# KiCad board PDNode-PDCard-4242.kicad_pcb (continued)
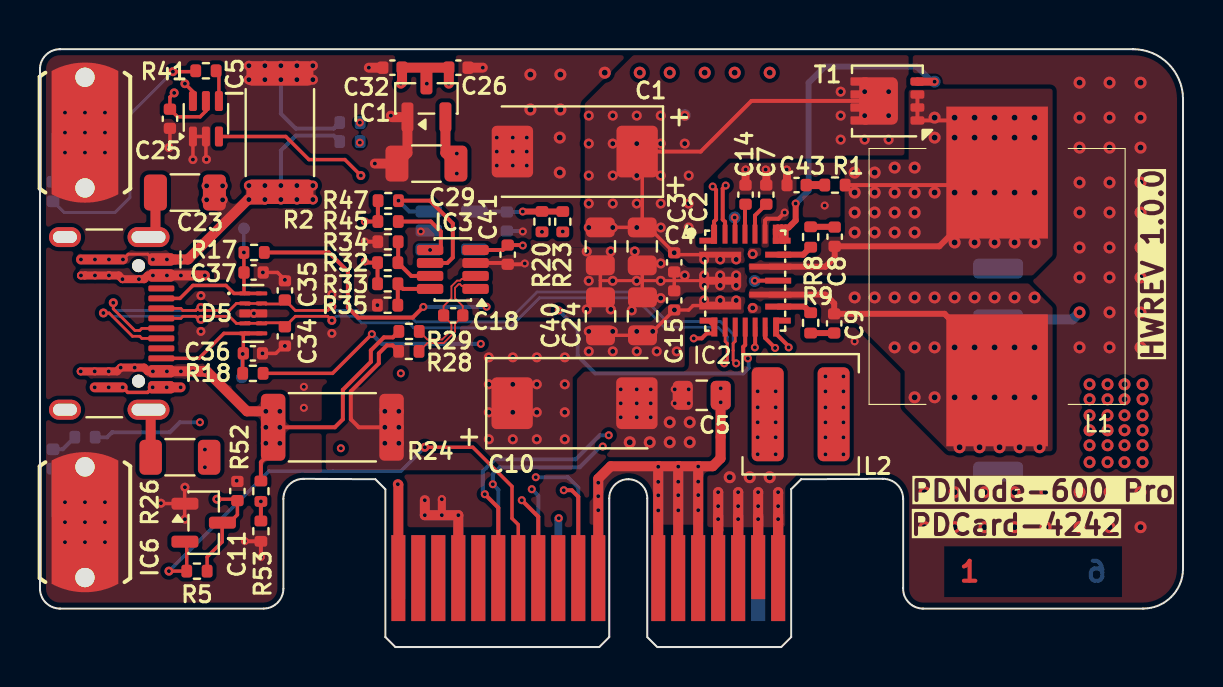
[diagram p0: board, top side]
## Routing (per net, layer and track width the routed paths; a pad name or vN(x,y) marks a point on that pad's centre or on a via; arc(x,y) is an arc through that point)
+3.3V: length 40.4
  L1 (Sig, PWR) w0.174: v4(8.85,7.4) 9.87,7.4 9.87,6.62 9.45,6.2 9.42,6.23 9.11,6.23 9.11,5.26 8.36,4.51 R5.1 ; IC5.5 8.3,26.83 8.01,26.54 6.88,26.54 C25.1 6.5,27.53 v4(6.71,27.74)
  L1 (Sig, PWR) w0.2: R47.1 16.9,22.33 R45.1 v3(16.25,21.3) ; v3(24.15,20.1) 24.13,20.12 C41.1 23.15,19.88 IC3.4 ; v3(20.85,23.7) 20.81,23.75 C29.1 20.81,24.66 v3(20.85,24.7) ; R33.1 16.88,18.18 R32.1 16.31,19.24
  L1 (Sig, PWR) w0.3: R23.1 v3(24.15,21.8)
  L1 (Sig, PWR) w0.5: C29.1 20.28,24.73 20.28,26.53
  L4(PWR) w0.174: v4(8.85,7.4) 10.14,7.4 11.94,9.2 13.25,9.2 13.85,9.8 13.85,18.8 14.35,19.3 v3(16.25,19.3)
  L6 (SIG) w0.2: v3(24.15,21.8) 24.13,21.78 C31.1 23.33,21.8 21.75,21.8
+5V: length 91.1
  L1 (Sig, PWR) w0.2: IC2.8 35.77,15.01 v3(35.76,15)
  L1 (Sig, PWR) w0.5: J2.B1 17.93,8.12 v3(17.9,8.15) ; v3(18.05,28.2) 18.11,28.26 C32.1 C26.1 v3(20.45,28.2)
  L4(PWR) w0.4: 26.85,9.25 26.85,7.4 25.95,6.5 v3(25.95,6.45)
  L4(PWR) w0.5: 35,15.95 34.4,15.95 32.25,13.8 28.45,13.8 27.35,12.7 27.35,9.7 26.9,9.25 26.25,9.25 ; 35,15.95 35.2,15.75 35.5,15.75 36.25,16.5 51.75,16.5 v2(52,16.75) ; 35,15.95 35.76,15.19 v3(35.76,15) ; v3(18.05,28.2) v3(20.45,28.2) ; 26.25,9.25 26.85,9.25 ; 26.25,9.25 21.55,9.25 20.45,8.15 v3(17.9,8.15) 15.7,10.35 15.7,12.75 17.75,14.8 17.75,21.25 17.1,21.9 17.1,23.45 19.35,25.7 v3(19.35,28.2)
  L6 (SIG) w0.4: v3(25.95,6.45) 25.93,6.42 J2.A9 ; v3(17.9,8.15) 17.93,8.12 J2.A1
  L6 (SIG) w0.5: J3.4 51.65,16.4 v2(52,16.75)
+24V: length 53.1
  L1 (Sig, PWR) w0.5: 30.95,9.05 v3(30.93,9.03) J2.A12 ; 30.95,9.05 31.95,9.05 ; 30.95,9.05 28.55,9.05 27.93,8.42 J2.A11 ; 32.95,9.05 32.93,9.03 J2.A14 ; 32.95,9.05 32.94,9.05 ; 32.95,9.05 33.65,9.05 34.04,9.44 34.04,12.59 C5.1 ; v3(31.93,9.03) 31.94,9.05 31.95,9.05 ; 32.94,9.05 v3(32.92,9.04) ; 32.94,9.05 31.95,9.05 ; 31.95,9.05 31.93,9.03 J2.A13
  L6 (SIG) w0.5: J2.A12 v3(30.93,9.03) ; J2.A14 v3(32.93,9.04) ; J2.A13 v3(31.93,9.03) ; v3(27.93,8.23) J2.A11
  vias: v3(27.93,7.55) v3(27.93,6.85) v3(30.92,8.27) v3(30.93,7.59) v3(30.93,6.84) v3(31.93,8.28) v3(31.93,7.6) v3(31.93,6.84) v3(32.92,8.28) v3(32.93,7.61) v3(32.93,6.85) v3(34.05,12.95) v3(34.05,12.25) v3(35.9,12.8) v3(35.9,12) v3(35.9,11.25) v3(35.9,10.5) v3(35.9,9.65) v3(36.8,12.8) v3(36.8,12) v3(36.8,11.25) v3(36.8,10.5) v3(36.8,9.65)
+24V_FILTERED: length 23.6
  L1 (Sig, PWR) w0.174: C3.1 30.04,21.01 30.05,21.01 C2.1 ; C2.1 30.12,24.55 C1.1 ; C2.1 30.44,21.01 31.72,19.73 31.73,19.73 31.82,19.64 IC2.1
  L1 (Sig, PWR) w0.2: C1.1 33.05,24.8 35.58,27.33 T1.5
  vias: v1(27.45,26.6) v1(27.45,25.2) v1(27.45,23.6) v1(27.45,22.2) v1(27.45,21) v1(28.65,26.6) v1(28.65,25.2) v1(28.65,23.6) v1(28.65,22.2) v1(28.65,21) v1(29.85,26.6) v1(29.85,25.2) v1(29.85,23.6) v1(29.85,22.2) v1(29.85,21) v1(31.05,26.6) v1(31.05,25.2) v1(31.05,23.6) v1(31.05,22.2) v1(31.05,21) v1(31.72,19.74) v1(32.25,26.6) v1(32.25,25.2) v1(32.45,23.6) v1(32.45,22.2) v1(32.45,21) v1(33.23,19.4) v1(34.03,19.4) v1(34.82,19.4) v1(40.05,27.8) v1(40.05,26.6) v1(40.05,25.4) v1(41.25,27.8) v1(41.25,26.6) v1(41.25,25.4) v1(42.45,27.8) v1(42.45,26.6) v1(42.45,25.4) v2(52.5,13.15) v2(52.5,12.4) v2(52.5,11.6) v2(52.5,10.85) v2(52.5,10.1) v2(52.5,9.25) v2(53.4,13.15) v2(53.4,12.4) v2(53.4,11.6) v2(53.4,10.85) v2(53.4,10.1) v2(53.4,9.25) v2(54.25,13.15) v2(54.25,12.4) v2(54.25,11.6) v2(54.25,10.85) v2(54.25,10.1) v2(54.25,9.25) v2(55.15,13.15) v2(55.15,12.4) v2(55.15,11.6) v2(55.15,10.85) v2(55.15,10.1) v2(55.15,9.25) v3(39.29,13.55) v3(39.29,12.8) v3(39.29,12) v3(39.29,11.25) v3(39.29,10.5) v3(39.29,9.65) v3(40.19,13.55) v3(40.19,12.8) v3(40.19,12) v3(40.19,11.25) v3(40.19,10.5) v3(40.19,9.65)
/Project Architecture/Board Connector and Supplies/VBUS_VMON_PORT0: length 23.8
  L1 (Sig, PWR) w0.2: J2.B10 26.93,7.53 26.6,7.85 v3(26.2,7.85) ; R53.1 v3(11.05,7.29)
  L3 (Sig) w0.2: v3(11.05,7.29) 11.05,8.35 11.7,9 19.5,9 21.8,6.7 25.05,6.7 v3(26.2,7.85)
/Project Architecture/USB-PD Source Controller/VBUS: length 30.7
  L1 (Sig, PWR) w0.2: R24.2 11.66,9.86 11.05,9.25 R52.1 ; 5.99,13.8 7.54,13.8 ; 17.95,15.8 17.65,15.5 17.2,15.5 16.55,14.85 16.55,14.28 15.15,12.88 15.15,11.4 14.75,11 12,11 v1(12,11)
  L1 (Sig, PWR) w0.4: v3(2.05,18.6) 2.25,18.6 2.25,18.6 3.45,18.6 v3(3.45,18.6) 3.45,18.6 3.94,18.6 v3(4.13,18.41) 5.21,18.41 5.4,18.6 6,18.6 ; v3(2.04,13.8) v3(3.44,13.8) 3.85,13.8 v3(4.04,13.99) v3(4.74,13.99) 5.21,13.99 5.4,13.8 v3(5.65,13.8)
  L1 (Sig, PWR) w0.5: 8,13.8 8.29,13.8 6.04,13.8 ; 8,13.8 8.25,13.8 v3(8.25,13.8) 8.35,13.8 10.35,11.8 v1(11.3,11.8) ; 8,13.8 7.69,13.8 ; 6,18.6 v3(8.25,18.6)
  vias: v1(11.3,11) v1(11.3,10.2) v1(12,11.8) v1(12,10.2) v3(2.75,18.6) v3(2.74,13.8) v3(4.95,18.41) v3(5.65,18.6) v3(6.35,18.6) v3(6.35,13.8) v3(7.05,18.6) v3(7.05,13.8) v3(7.65,18.6) v3(7.65,13.8)
/Project Architecture/USB-PD Source Controller/VBUS_MEA_N: length 5.9
  L1 (Sig, PWR) w0.09: IC3.2 21.38,18.58 21.22,18.42 21.09,18.42 21.01,18.34 20.86,18.34 20.58,18.06 20.58,17.46 20.19,17.07 C18.2 20.19,16.57 20.58,16.18 20.58,15.86 20.12,15.4 19.37,15.4 R29.2
/Project Architecture/USB-PD Source Controller/VBUS_MEA_P: length 5.9
  L1 (Sig, PWR) w0.09: 18.96,14.8 19.37,15.21 20.19,15.21 20.76,15.78 20.76,16.18 21.15,16.57 C18.1 21.15,17.07 20.76,17.46 20.76,17.98 20.94,18.16 21.01,18.16 21.09,18.08 21.22,18.08 21.38,17.92 IC3.1
GND: length 113.5
  L1 (Sig, PWR) w0.149: v1(34.03,18.6) IC2.2 28.04,18.34 28.03,18.35
  L1 (Sig, PWR) w0.174: v4(7.25,8) 7.24,7.99 7.24,7.18 ; C24.2 30.12,17.52 C2.2 ; v4(7.65,24.4) IC5.1 IC5.2 8.3,24.44 v4(8.33,24.41) ; D5.3 v4(10.7,16.7) D5.3 ; v4(7.25,6.4) 7.24,6.41 7.24,7.18 ; C40.2 28.03,17.51 C3.2 ; 7.24,7.18 6.07,7.18 v4(6.05,7.2) ; v4(12.25,15.07) 12.17,15.07 11.8,14.7 v4(11.13,14.7) ; C4.2 C15.2 ; v4(6.45,25) 6.5,25.05 C25.2 ; v4(11.15,18.75) C37.2 11.88,18.75 v4(12.25,18.38) C35.2 ; v4(9.84,8.33) 9.72,8.33 9.69,8.36
  L1 (Sig, PWR) w0.2: v3(24.25,19.2) 24.21,19.16 C41.2 23.33,19.23 IC3.3 ; v3(16.88,17.11) 16.79,17.2 16.75,17.2 ; v3(16.25,20.3) 16.26,20.29 R34.2 ; v3(11.05,4.5) R53.2 10.26,5.29 v3(10.25,5.3) ; IC2.17 36.27,21.35 36.36,21.44 36.94,21.44 v3(37.25,21.75)
  L1 (Sig, PWR) w0.4: v3(35.3,23.9) 35.29,23.89 C14.2 ; C7.2 36.33,23.87 v3(36.3,23.9) ; v3(37.35,23.9) 37.37,23.89 C43.2 ; v3(20.1,6.6) v3(20.1,7.4)
  L1 (Sig, PWR) w0.5: v3(23.65,24.8) 23.66,24.81 23.66,24.81 ; v3(33.92,7.75) 33.93,7.75 33.93,5.85 ; v3(16.75,24.2) C29.2 18.38,24.73 IC1.1 17.62,26.53 v3(17.55,26.6) ; v3(34.92,7.75) 34.93,7.75 J2.A16 34.93,6.58 ; C32.2 v3(16.45,29) ; J2.A15 33.93,5.85 ; 33.93,5.85 33.93,6.58 ; J2.A4 v3(20.93,6.6) v3(19.25,6.6) v3(19.25,7.35) ; v3(29.85,12.2) 29.86,12.2 C10.2 ; v3(35.92,7.75) 35.93,7.75 J2.B17 35.93,6.58 ; v3(36.92,7.75) 36.93,7.75 J2.A18 36.93,6.58 ; C26.2 v3(22.15,29)
  L2 (GND) w0.174: v4(8.05,15.8) 9.8,15.8 v4(10.7,16.7) 9.81,17.59 v4(8.05,17.59)
  L6 (SIG) w0.174: v4(1.25,25.75) 0.75,25.75 0.65,25.65 D2.1 ; 2.22,25.78 v4(2.25,25.75)
  L6 (SIG) w0.2: v1(12.05,28.4) 12.05,26.7 12.8,25.95 14.69,25.95 R3.1 ; v3(2.25,6.25) 1,6.25 0.65,6.6 D1.1 ; C31.2 24.13,20.82 v3(24.15,20.8) ; 19.48,20.85 19.1,20.85 v3(19.05,20.8)
  L6 (SIG) w0.4: v3(20.1,7.4) v3(20.1,6.6)
  L6 (SIG) w0.5: v3(34.92,7.75) 34.93,7.75 34.93,5.9 ; 35.93,6.1 35.93,7.75 v3(35.92,7.75) ; 35.93,6.1 J2.A17 ; 35.93,6.1 35.93,6.58 ; 34.93,5.9 34.93,6.58 ; 34.93,5.9 J2.A16 ; J2.A15 33.93,6.1 ; 33.93,6.1 33.93,7.75 v3(33.92,7.75) ; 33.93,6.1 33.93,6.58 ; v3(36.92,7.75) 36.93,7.75 36.93,6.15 ; 36.93,6.15 J2.A18 ; 36.93,6.15 36.93,6.58 ; J2.A4 v3(20.93,6.6) v3(19.25,6.6) v3(19.25,7.35)
  vias: v1(10.45,29.1) v1(10.45,28.4) v1(11.25,29.1) v1(11.25,28.4) v1(12.05,29.1) v1(12.85,29.1) v1(12.85,28.4) v1(13.65,29.1) v1(13.65,28.4) v1(27.35,19.8) v1(27.35,16.9) v1(27.45,18.33) v1(28.55,19.8) v1(28.55,16.9) v1(28.65,18.33) v1(29.6,16.85) v1(29.75,19.8) v1(29.85,18.33) v1(31.05,19.2) v1(31.05,18.33) v1(31.05,17.46) v1(32.25,18.6) v1(33.23,18.6) v1(33.23,18.1) v1(34.03,18.1) v1(34.82,18.6) v1(34.82,18.1) v1(35.65,19.67) v1(35.65,16.98) v2(24.53,28.65) v2(24.53,26.9) v2(26.03,28.65) v2(26.03,26.9) v2(26,25.5) v2(26,23.75) v2(28.25,28.75) v2(29.5,10.25) v2(30,28.75) v2(30.5,10.25) v2(31.5,28.75) v2(31.5,11.25) v2(31.5,10.25) v2(32.5,11.25) v2(32.5,10.25) v2(33.25,28.75) v2(34.5,8.5) v2(34.75,28.75) v2(35.5,8.5) v2(36.5,28.75) v2(36.5,8.5) v2(44.25,7.75) v2(44.25,6) v2(45.75,7.75) v2(45.75,6) v2(47.25,7.75) v2(47.25,6) v2(48.75,7.75) v2(48.75,6) v2(50.3,7.75) v2(50.3,6) v2(52,28.25) v2(52,26.5) v2(52,25) v2(52,23.25) v2(52,21.75) v2(52,20) v2(52,18.5) v2(52,15) v2(52,7.75) v2(52,6) v2(53.5,28.25) v2(53.5,26.5) v2(53.5,25) v2(53.5,23.25) v2(53.5,21.75) v2(53.5,20) v2(53.5,18.5) v2(53.5,16.75) v2(53.5,15) v2(53.5,7.75) v2(53.5,6) v2(55.05,28.25) v2(55.05,26.5) v2(55.05,25) v2(55.05,23.25) v2(55.05,21.75) v2(55.05,20) v2(55.05,18.5) v2(55.05,16.75) v2(55.05,15) v2(55.05,7.75) v2(55.05,6) v3(1.25,7.25) v3(1.25,6.25) v3(1.25,5.25) v3(2.25,7.25) v3(2.25,5.25) v3(3.25,7.25) v3(3.25,6.25) v3(3.25,5.25) v3(13.2,13.03) v3(13.2,11.98) v3(15.05,9.95) v3(18.05,13.7) v3(22.85,25.5) v3(22.85,24.8) v3(22.85,24.1) v3(23.65,25.5) v3(23.65,24.1) v3(24.35,25.5) v3(24.35,24.8) v3(24.35,24.1) v3(29.05,12.9) v3(29.05,12.2) v3(29.05,11.5) v3(29.85,12.9) v3(29.85,11.5) v3(30.55,12.9) v3(30.55,12.2) v3(30.55,11.5) v3(31.75,12.9) v3(31.75,12.2) v3(32.45,12.9) v3(32.45,12.2) v3(33.92,7.05) v3(33.92,6.4) v3(34.92,7.05) v3(34.92,6.4) v3(35.92,7.05) v3(35.92,6.4) v3(36.92,7.05) v3(36.92,6.4) v3(39.25,22.1) v3(40.75,15.3) v4(1.25,26.75) v4(1.25,24.75) v4(2.25,26.75) v4(2.25,24.75) v4(3.25,26.75) v4(3.25,25.75) v4(3.25,24.75) v4(14.6,17.65) v4(14.6,15.7)
GND_USB: length 20.3
  L1 (Sig, PWR) w0.15: v3(4.15,19.4) 4.41,19.66 5.39,19.66 v3(5.65,19.4)
  L1 (Sig, PWR) w0.174: 5.99,13 v3(5.64,13) 5.38,12.75 4.39,12.75 v3(4.14,13)
  L1 (Sig, PWR) w0.5: v3(2.05,19.4) v3(4.15,19.4) ; v3(5.64,13) v3(7.04,13) ; 6,19.4 v3(7.05,19.4) 7.4,19.4 10.4,22.4 v1(11.25,22.4) ; v3(2.74,13) v3(4.14,13)
  L6 (SIG) w0.2: v1(12.05,23.1) 12.05,24.85 12.8,25.6 14.69,25.6 R4.1
  vias: v1(8.34,23.09) v1(8.34,22.39) v1(9.14,23.09) v1(9.14,22.39) v1(10.45,23.1) v1(10.45,22.4) v1(11.25,23.1) v1(12.05,22.4) v1(12.85,23.1) v1(12.85,22.4) v1(13.65,23.1) v1(13.65,22.4) v3(2.75,19.4) v3(3.45,19.4) v3(3.44,13) v3(6.35,19.4) v3(6.34,13) v3(8.25,9.89) v3(8.25,9)
/Project Architecture/Board Connector and Supplies/PORT_EN: length 47
  L1 (Sig, PWR) w0.174: v4(7.25,28.2) 7.65,27.8 IC5.6
  L1 (Sig, PWR) w0.2: J2.B8 24.93,6.53 v3(24.1,7.35)
  L3 (Sig) w0.174: 9.2,11.25 9.45,11.5 9.45,21.94 9.67,22.16 9.67,22.61 9.55,22.74 9.67,22.86 9.67,23.31 9.45,23.53 9.45,25 7.25,27.2 v4(7.25,28.2) ; 9.2,11.25 11,9.45 19.65,9.45 ; 9.2,11.25 v3(8,11.25)
  L3 (Sig) w0.2: v3(24.1,7.35) 23.9,7.15 21.95,7.15 19.65,9.45
  L6 (SIG) w0.2: v3(8,11.25) 7,11.25 6.5,10.75 3.61,10.75 3.36,10.5 R49.2
/Project Architecture/USB-PD Source Controller/CC1: length 8.7
  L1 (Sig, PWR) w0.174: D5.1 9.7,17.7 9.3,18.1 7.65,18.1 7,17.45 J1.A5 ; D5.1 10.2,17.75 C37.1 10.2,18.76 v4(10.2,19.75) ; D5.1 D5.1
  L6 (SIG) w0.174: CC1.1 v4(10.2,19.75)
/Project Architecture/USB-PD Source Controller/CC2: length 8.8
  L1 (Sig, PWR) w0.174: R18.2 v4(10.14,14.67) C36.1 10.17,15.62 D5.5 9.2,15.7 7.95,14.45 J1.B5
  L1 (Sig, PWR) w0.2: D5.5 D5.5
  L6 (SIG) w0.174: v4(10.14,14.67) 10.1,14.63 CC2.1
/Project Architecture/USB-PD Source Controller/I2C_SCL: length 44.7
  L1 (Sig, PWR) w0.2: IC2.10 36.82,15.68 37.45,15.05 v3(37.45,15) ; R45.2 19.55,21.3 20.05,20.8 20.05,20 19.95,19.9 19.54,19.9 v3(19.51,19.88)
  L3 (Sig) w0.2: v3(28.15,10.04) 27.95,10.24 27.95,11.1 28,11.15 28,13.55 28.65,14.2 32.35,14.2 34.3,16.15 37,16.15 37.45,15.7 v3(37.45,15) ; v3(19.51,19.88) 19.51,18.74 20.3,17.95 20.3,10.2 22.35,8.15 v3(22.65,8.15)
  L6 (SIG) w0.2: v3(28.15,10.04) 28.04,10.04 27,9 23,9 22.65,8.65 v3(22.65,8.15) 22.93,7.88 J2.A6 ; 19.48,19.9 19.49,19.9 v3(19.51,19.88)
/Project Architecture/USB-PD Source Controller/I2C_SDA: length 50.8
  L1 (Sig, PWR) w0.2: IC3.6 20.38,19.23 20.65,19.5 20.65,21.2 19.51,22.34 v3(17.93,22.34) ; IC2.9 36.27,15.47 v3(36.77,14.97) ; v3(22.25,7.65) 22.93,6.98 J2.B6
  L3 (Sig) w0.2: v3(28.45,10.6) 28.45,13.45 28.8,13.8 32.5,13.8 34.45,15.75 35.99,15.75 v3(36.77,14.97) ; v3(22.25,7.65) 19.85,10.05 19.85,17.8 17.93,19.72 v3(17.93,22.34)
  L6 (SIG) w0.2: v3(28.45,10.6) 28,10.6 26.8,9.4 22.75,9.4 22.15,8.8 22.15,7.75 v3(22.25,7.65) ; v3(17.93,22.34) 18.47,21.8 19.48,21.8
/Project Architecture/USB-PD Source Controller/ISEN+: length 25.3
  L1 (Sig, PWR) w0.2: IC2.22 33.72,21.3 33.82,21.4 33.82,22.88 v3(33.65,23.05)
  L3 (Sig) w0.15: v3(16,25.25) 16.35,25.6 19.81,25.6 21.81,27.6 32.69,27.6 33.83,26.45 33.83,23.23 v3(33.65,23.05)
  L6 (SIG) w0.15: v3(16,25.25) 16.01,25.26 R4.2
/Project Architecture/USB-PD Source Controller/ISEN-: length 25.8
  L1 (Sig, PWR) w0.2: v3(34.3,23.1) 34.15,22.95 34.15,21.4 34.27,21.28 IC2.21
  L3 (Sig) w0.15: v3(34.3,23.1) 34.14,23.26 34.14,26.58 32.81,27.9 21.69,27.9 19.69,25.9 16.35,25.9 v3(16,26.25)
  L6 (SIG) w0.15: R3.2 v3(16,26.25)
/Project Architecture/USB-PD Source Controller/PD_ATTACH: length 35.1
  L1 (Sig, PWR) w0.2: v3(34.75,21.5) 34.77,21.48 IC2.20 ; R23.2 v3(26.15,20.8)
  L3 (Sig) w0.2: v3(34.75,21.5) 33.6,20.35 26.6,20.35 v3(26.15,20.8) 26.15,18.95 24.95,17.75 22.35,17.75 21.4,16.8 21.4,10.4 22.6,9.2 24.1,9.2 v3(24.8,8.5)
  L6 (SIG) w0.2: J2.A10 26.93,7.98 26.4,8.5 v3(24.8,8.5)
/Project Architecture/USB-PD Source Controller/PD_CC1: length 31.4
  L1 (Sig, PWR) w0.2: v3(19.18,17.03) 18.64,16.49 15.91,16.49 15.4,17 15.4,18.8 14.45,19.75 R17.1 ; v3(35.41,14.45) 35.18,14.68 35.18,15.03 35.28,15.12 IC2.7
  L3 (Sig) w0.2: v3(25.95,16.85) 25.9,16.9 22.48,16.9 v3(22.34,17.03)
  L6 (SIG) w0.2: v3(22.34,17.03) 22.34,16.99 22.31,17.03 v3(19.18,17.03) ; v3(35.41,14.45) 35.45,14.41 35.45,13.98 35.17,13.7 27.77,13.7 26.9,14.57 26.9,15.9 v3(25.95,16.85)
/Project Architecture/USB-PD Source Controller/PD_CC2: length 25.8
  L1 (Sig, PWR) w0.174: v3(16.6,15.66) 14.64,13.7 R18.1
  L1 (Sig, PWR) w0.2: 33.73,16.05 33.73,15.7 33.35,15.7 33.1,15.45 v3(32.7,15.45) ; 33.73,16.05 IC2.4 ; 33.73,16.05 IC2.4 ; v3(16.6,15.66) 16.51,15.66
  L3 (Sig) w0.15: v3(32.7,15.45) 31.82,16.33 22.61,16.33 22.05,15.76 v3(22.05,15.17)
  L6 (SIG) w0.2: v3(22.05,15.17) 17.09,15.17 v3(16.6,15.66)
/Project Architecture/USB-PD Source Controller/PD_ENABLE: length 58.2
  L1 (Sig, PWR) w0.174: v4(16.05,23.6) 15.25,24.4 13.45,24.4 12.3,25.56 IC5.3
  L1 (Sig, PWR) w0.2: v3(35.75,18.33) 35.76,18.34 IC2.13
  L3 (Sig) w0.174: v4(16.05,23.6) 16.65,23 24.45,23 24.85,22.6 24.85,21.04 v3(25.11,20.78)
  L3 (Sig) w0.2: v3(24.6,7.9) 23.75,8.75 22.4,8.75 20.95,10.2 20.95,16.95 22.2,18.2 24.35,18.2 25.11,18.96 v3(25.11,20.78) 25.88,21.55 33.85,21.55 34.4,22.1 35.45,22.1 36.35,21.2 36.35,18.93 v3(35.75,18.33)
  L6 (SIG) w0.2: J2.A8 24.93,7.58 v3(24.6,7.9)
/Project Architecture/USB-PD Source Controller/PD_OUT: length 14.3
  L1 (Sig, PWR) w0.174: C40.1 C24.1 30.46,15.61 C15.1 32.44,16.87 32.67,17.09 IC2.3
  L1 (Sig, PWR) w0.2: R28.1 17.64,15.1 17.35,15.1 16.95,14.7 16.95,14.2 15.55,12.8 15.55,11.4 15.95,11 R24.1 v1(17.25,11)
  vias: v1(17.25,11.8) v1(17.25,10.2) v1(17.95,11.8) v1(17.95,11) v1(17.95,10.2) v1(22.45,14.5) v1(22.45,13.15) v1(22.45,11.75) v1(22.45,10.4) v1(23.65,14.5) v1(23.65,13.15) v1(23.65,11.75) v1(23.65,10.4) v1(24.85,14.5) v1(24.85,13.15) v1(24.85,11.75) v1(24.85,10.4) v1(26.25,14.5) v1(26.25,13.15) v1(26.25,11.75) v1(26.25,10.4) v1(27.45,15.8) v1(27.45,14.8) v1(28.65,15.8) v1(28.65,14.8) v1(29.85,15.8) v1(29.85,14.8) v1(30.65,15.8) v1(30.85,14.8) v1(31.73,16.87) v1(31.85,14.8) v1(33.23,17.35) v1(34.03,17.35) v1(34.82,17.35)
/Project Architecture/USB-PD Source Controller/SW1: length 32.8
  L1 (Sig, PWR) w0.2: 49.85,26.5 49.85,25.73 L1.1 ; L1.1 47.87,25.33 46.93,26.28 46.9,26.28 46.82,26.36 T1.1 T1.3 ; L1.1 47.25,23.12 R1.1
  L1 (Sig, PWR) w0.3: L1.1 47.87,22.95 44.99,20.06 C8.1 39.75,19.5 39.29,19.04 IC2.14
  vias: v2(40.75,23.75) v2(40.75,22.75) v2(40.75,21.75) v2(40.75,20.75) v2(41.75,23.75) v2(41.75,22.75) v2(41.75,21.75) v2(41.75,20.75) v2(42.75,24) v2(42.75,22.75) v2(42.75,21.75) v2(42.75,20.75) v2(43.75,24) v2(43.75,22.75) v2(43.75,21.75) v2(43.75,20.75) v2(44.75,26.5) v2(44.75,25.5) v2(44.75,22.75) v2(45.75,26.5) v2(45.75,25.5) v2(45.75,22.75) v2(45.75,20.25) v2(46.75,26.5) v2(46.75,25.5) v2(46.75,22.75) v2(46.75,20.25) v2(47.75,26.5) v2(47.75,25.5) v2(47.75,22.75) v2(47.75,20.25) v2(48.75,26.5) v2(48.75,25.5) v2(48.75,22.75) v2(48.75,20.25) v2(49.75,26.5) v2(49.75,25.5) v2(49.75,22.75) v2(49.75,20.25)
/Project Architecture/USB-PD Source Controller/SW2: length 13.8
  L1 (Sig, PWR) w0.3: IC2.12 39.29,17.64 39.73,17.2 C9.1 45.25,16.68 47.87,14.05 L1.2
  vias: v2(40.75,17.5) v2(41.75,17.5) v2(42.75,17.5) v2(42.75,15) v2(43.75,17.5) v2(43.75,15) v2(43.75,12.5) v2(44.75,17.5) v2(44.75,15) v2(44.75,12.5) v2(45.75,17.5) v2(45.75,15) v2(45.75,12.5) v2(46,10) v2(46.75,17.5) v2(46.75,15) v2(46.75,12.5) v2(47,10) v2(47.75,17.5) v2(47.75,15) v2(47.75,12.5) v2(48,10) v2(48.75,17.5) v2(48.75,15) v2(48.75,12.5) v2(49,10) v2(49.75,17.5) v2(49.75,15) v2(49.75,12.5) v2(50,10)
/Project Architecture/USB-PD Source Controller/USB_D+: length 42.6
  L1 (Sig, PWR) w0.09: 8.05,16.43 8,16.43
  L1 (Sig, PWR) w0.14: v4(14.6,16.35) 14.4,16.55 12.77,16.55 C34.1 12.22,16.03 12.02,16.23 11.3,16.23 11.27,16.2 D5.4 11.06,16.23 10.93,16.23 10.91,16.2 10.49,16.2 10.47,16.23 10.28,16.23 D5.4 9.83,16.2 9.47,16.55 8.3,16.55 8.25,16.5 8.15,16.5 v4(8.05,16.4) 7.94,16.5 7.84,16.5 7.79,16.55 7.15,16.55 7.05,16.45 J1.A6 ; v3(34.22,14.2) 34.38,14.35 34.38,14.74 34.38,14.74 34.38,15.2 34.27,15.3 IC2.5 ; v4(3.17,16.72) 3.46,16.72 4.63,15.55 4.99,15.55 5.09,15.45 J1.B6
  L6 (SIG) w0.14: v4(3.17,16.72) 3.46,16.72 3.63,16.55 7.79,16.55 7.84,16.5 7.94,16.5 v4(8.05,16.4) ; v3(34.22,14.2) 34.38,14.35 34.38,15.54 33.91,16 31.24,16 29.76,17.48 24.99,17.48 23.49,15.98 18.69,15.98 18.44,16.23 16.09,16.23 15.76,16.55 14.8,16.55 v4(14.6,16.35)
/Project Architecture/USB-PD Source Controller/USB_D-: length 42.6
  L1 (Sig, PWR) w0.14: v4(3.67,17.23) 3.67,16.93 4.75,15.85 4.99,15.85 5.09,15.95 J1.A7 ; v4(14.6,17.05) 14.4,16.85 12.77,16.85 C35.1 12.22,17.37 12.02,17.17 11.3,17.17 11.27,17.2 D5.2 11.06,17.17 10.93,17.17 10.91,17.2 10.49,17.2 10.47,17.17 10.28,17.17 D5.2 9.83,17.2 9.47,16.85 8.3,16.85 8.25,16.9 8.15,16.9 v4(8.05,17) 7.94,16.9 7.84,16.9 7.79,16.85 7.15,16.85 7.05,16.95 J1.B7 ; IC2.6 34.78,15.3 34.67,15.2 34.67,14.85 34.67,14.85 34.67,14.35 v3(34.82,14.2)
  L6 (SIG) w0.14: v4(14.6,17.05) 14.8,16.85 15.89,16.85 16.21,16.52 18.56,16.52 18.81,16.27 23.37,16.27 24.86,17.77 29.89,17.77 31.36,16.3 34.04,16.3 34.67,15.66 34.67,14.35 v3(34.82,14.2) ; v4(8.05,17) 7.94,16.9 7.84,16.9 7.79,16.85 3.75,16.85 3.67,16.93 v4(3.67,17.23)
/Project Architecture/USB-PD Source Controller/VDRV: length 17.9
  L1 (Sig, PWR) w0.3: 37.3,21 37.45,21 37.8,21.35 v3(37.8,22.2) ; 37.3,21 37.3,20.4 37.24,20.34 IC2.16 37.1,21 37.1,21 ; 37.3,21 37.1,21 ; IC2.16 36.81,20.91 36.9,21 37.1,21
  L1 (Sig, PWR) w0.4: T1.4 43.9,28.3 v3(44.75,28.3)
  L6 (SIG) w0.3: v3(37.8,22.2) 38.45,22.85 38.45,28.25 39.25,29.05 43.87,29.05 44.62,28.3 v3(44.75,28.3)
PGOOD_3V3: length 27.7
  L1 (Sig, PWR) w0.174: 7.24,5.28 7.34,5.18 R5.2 v4(6.45,3.8) ; J2.B7 23.93,6.12 23.61,6.44 23.61,8.04 21.65,10 v4(19.25,10)
  L6 (SIG) w0.174: v4(6.45,3.8) 11.46,8.81 14.64,8.81 14.65,8.8 18.05,8.8 v4(19.25,10)
SHIELD: length 13.2
  L1 (Sig, PWR) w0.5: R26.2 5.54,11.77 J1.S1 ; J1.S1 5.78,20.87 C23.2
  L3 (Sig) w0.5: J1.S1 J1.S1 ; J1.S1 J1.S1
Net-(C8-Pad2): length 1.2
  L1 (Sig, PWR) w0.3: 38.55,21.03 39.74,21.03 C8.2
Net-(C9-Pad2): length 1.2
  L1 (Sig, PWR) w0.3: R9.2 39.72,15.72 C9.2
Net-(C43-Pad1): length 0.9
  L1 (Sig, PWR) w0.4: C43.1 R1.2
Net-(D1-Pad2): length 1.3
  L6 (SIG) w0.2: R49.1 1.14,9.9 D1.2
Net-(D2-Pad2): length 12.7
  L1 (Sig, PWR) w0.174: v4(6.65,28.8) 7.75,28.8 R41.2
  L6 (SIG) w0.149: D2.2 1.22,21.75 3.75,21.75 4.5,22.5 4.5,26.65 v4(6.65,28.8)
Net-(IC2-BST1): length 1.8
  L1 (Sig, PWR) w0.3: R8.1 38.18,19.64 IC2.15
Net-(IC2-BST2): length 1.8
  L1 (Sig, PWR) w0.3: IC2.11 38.25,17.04 38.55,16.73
Net-(IC2-ICOMP): length 1.5
  L1 (Sig, PWR) w0.2: C14.1 35.26,22.14 IC2.19
Net-(IC2-VCC): length 1.7
  L1 (Sig, PWR) w0.2: C7.1 35.76,21.6 IC2.18
Net-(IC3-A0): length 2.9
  L1 (Sig, PWR) w0.2: R34.1 17.92,19.25 R32.2 18.57,18.58 IC3.7
Net-(IC3-A1): length 2.8
  L1 (Sig, PWR) w0.2: R35.1 17.9,18.18 R33.2 18.16,17.92 IC3.8
Net-(IC5-Y): length 1.6
  L1 (Sig, PWR) w0.174: R41.1 8.95,28.7 IC5.4

## Copper pours and planes (outline as drawn; the poured copper is in the pictures)
+3.3V on L4(PWR): 21.95,1.6 22,16.5 27,16.5 27,30.25 -0.15,30.25 -0.25,1.5
+24V on L1 (Sig, PWR): 27.49,6.12 27.49,9.52 30.44,9.52 33.19,12.62 33.19,13.52 34.79,14.72 37.99,14.72 37.99,6.12
+24V on L4(PWR): 27.5,6.1 27.5,13.5 33.2,13.5 34.8,14.7 38,14.7 38,6.1
+24V_FILTERED on L1 (Sig, PWR): 43.45,30.2 30.05,30 27.25,27.2 27.25,20.2 30.95,20.2 31.7,19.45 32.2,19.45 32.45,19.2 35.25,19.2 35.25,20.2 33.45,20.2 33.2,20.45 33.2,23.2 34.45,24.45 43.45,24.45
+24V_FILTERED on L1 (Sig, PWR): 38,14.75 42.25,14.75 43.25,13.75 43.25,12 45.45,9.8 50.65,9.8 50.65,1.8 38,1.75
+24V_FILTERED on L6 (SIG): 55.75,13.75 51.75,13.75 51,14.5 43.25,14.5 42.75,14 39,14 39,9.25 43,9.25 44.25,8 51,8 51.75,8.75 55.75,8.75
+24V_FILTERED on L4(PWR): 38,14.75 38,1.75 57.75,1.75 57.75,30.25 27,30.25 27,20.25 30.75,20.25 31.5,19.5 32.25,19.5 32.5,19.25 35.25,19.25 35.25,14.75
/Project Architecture/USB-PD Source Controller/VBUS on L1 (Sig, PWR), L3 (Sig), L4(PWR): 12.5,9 -0.75,9 -0.75,21.5 1,21.5 1,19 12.5,19
GND on L1 (Sig, PWR), L6 (SIG), L2 (GND), L3 (Sig), L5(GND): -3.75,31.92 58.25,32 58.25,0 38.25,0 38.25,6 16.25,6 16.25,1 -3.75,1
GND on L1 (Sig, PWR), L2 (GND), L5(GND): 35.25,19 35.28,17.75 32.25,17.75 31.75,17.25 31.25,17.25 30.5,16.5 22,16.5 22,20 30.75,20 31.5,19.25 32,19.25 32.25,19
GND_USB on L1 (Sig, PWR), L4(PWR): 1,19 1,24.25 14.25,24.25 14.25,19
GND_USB on L6 (SIG), L2 (GND), L5(GND): 14.75,24 14.75,19.5 9.25,19.5 9.25,18 7.75,18 7.75,15.5 9.25,15.5 9.25,8.5 -0.75,8.5 -0.75,24
/Project Architecture/USB-PD Source Controller/PD_OUT on L1 (Sig, PWR), L4(PWR): 35.28,17.75 35.28,16.5 32.25,16.5 32.25,14 27.15,14 26.65,13.5 26.65,8.85 14.3,8.85 14.3,13 16.05,13 19.48,16.38 27.98,16.38 28.3,16.75 28.8,17.25 29.3,17.25 29.8,17.75
/Project Architecture/USB-PD Source Controller/SW1 on L1 (Sig, PWR), L3 (Sig), L4(PWR): 35.25,19.4 38.25,19.4 39.45,20.6 40.25,20.6 40.25,24.4 43.45,24.4 43.45,27.95 50.65,27.95 50.65,19.6 49.65,18.6 35.25,18.6
/Project Architecture/USB-PD Source Controller/SW2 on L1 (Sig, PWR), L3 (Sig), L4(PWR): 35.25,18.2 49.45,18.2 50.65,17 50.65,9.8 45.45,9.8 43.25,12 43.25,13.8 40.85,16.2 39.05,16.2 39.05,17 35.25,17

## Text on the board
L6 (SIG): Bottom Layer
B.Silkscreen: GND | +5V | +24V | CC2 | CC1 | +24VF | PDEN | VDRV | CEN | OEN | VMON | DvidMakesThings | PDNode-600-Pro | PDCard-4242 | Bottom Silk
L1 (Sig, PWR): Top Layer
F.Silkscreen: + | PDCard-4242 | PDNode-600 Pro | HWREV 1.0.0 | Top Silk
L2 (GND): 2nd Layer
L3 (Sig): 3rd Layer
L4(PWR): 4th Layer
L5(GND): 5th Layer
DrillMap: Top Preview | Bottom Preview
F.AssemblyText: 30° | BOARD PARAMETERS / ---------------------------------------- / Layers: 6 / Board Size: 57.17 mm x 29.92 mm / PCB Thickness: 1.6 mm / Base Material: FR-4 / Material Type: FR4 TG135 / Stackup Code: JLC06161H-3313 / Impedance Control: No requirement / Appearance Standard: IPC Class 2 / Board Outline Tolerance: ±0.2 mm / COPPER & FINISH / ---------------------------------------- / Outer Copper Weight: 1 oz / Inner Copper Weight: 0.5 oz / Surface Finish: ENIG / Gold Thickness: 1 U{dblquote} / Gold Fingers: YES / Beveling: Yes, 30° / SOLDER MASK & SILK / ---------------------------------------- / PCB Color: Green / Silkscreen Color: White / Via Covering: Epoxy Filled & Capped / DRILLING & SPECIAL PROCESSES / ---------------------------------------- / Min Via Hole: 0.2 mm / Via Pad / Finished Diameter: 0.4 mm / Castellated Holes: No / Edge Plating: No / Blind Slot: No / Press-Fit Hole: No / Countersink Hole: No / Backdrill: No / QUALITY & TEST / ---------------------------------------- / Electrical Test: Flying Probe Fully Test / LAYER STACKUP / -------------------------------------------------------------------- / Name                 | Type        | Material                  | Thickness mm | Er   | LossTg / -------------------------------------------------------------------------------------------- / F.Silkscreen         | Top Silk    | Direct Printing White     | -            | -    | - / F.Paste              | Paste       | -                         | -            | -    | - / F.Mask               | Solder Mask | Solder Resist Green       | 0.01         | 3.8  | 0 / F.Cu                 | Copper      | -                         | 0.035        | -    | - / Dielectric 1         | Prepreg     | 3313 RC57% 4.2mil         | 0.0994       | 4.1  | 0.02 / In1.Cu               | Copper      | -                         | 0.0152       | -    | - / Dielectric 2         | Core        | 0.55mm H/H without copper | 0.55         | 4.41 | 0.02 / In2.Cu               | Copper      | -                         | 0.0152       | -    | - / Dielectric 3         | Prepreg     | 2116 RC54% 4.9mil         | 0.1088       | 4.16 | 0.02 / In3.Cu               | Copper      | -                         | 0.0152       | -    | - / Dielectric 4         | Core        | 0.55mm H/H without copper | 0.55         | 4.41 | 0.02 / In4.Cu               | Copper      | -                         | 0.0152       | -    | - / Dielectric 5         | Prepreg     | 3313 RC57% 4.2mil         | 0.0994       | 4.1  | 0.02 / B.Cu                 | Copper      | -                         | 0.035        | -    | - / B.Mask               | Solder Mask | Solder Resist Green       | 0.01         | 3.8  | 0 / B.Paste              | Paste       | -                         | -            | -    | - / B.Silkscreen         | Bottom Silk | Direct Printing White     | -            | -    | - | PCB FABRICATION SPECIFICATION | BEVELING | PTH DRILLMAP | NPTH DRILLMAP | PDNode-600 Baseboard | 10 | 1 | 2 | 3 | 4 | 5 | 6 | 7 | 8 | 9 | PCB AREA
PTH: PTH Drill
NPTH: NPTH Drill
User.12: BEVELING AREA
